# KiCad board skoosk.kicad_pcb
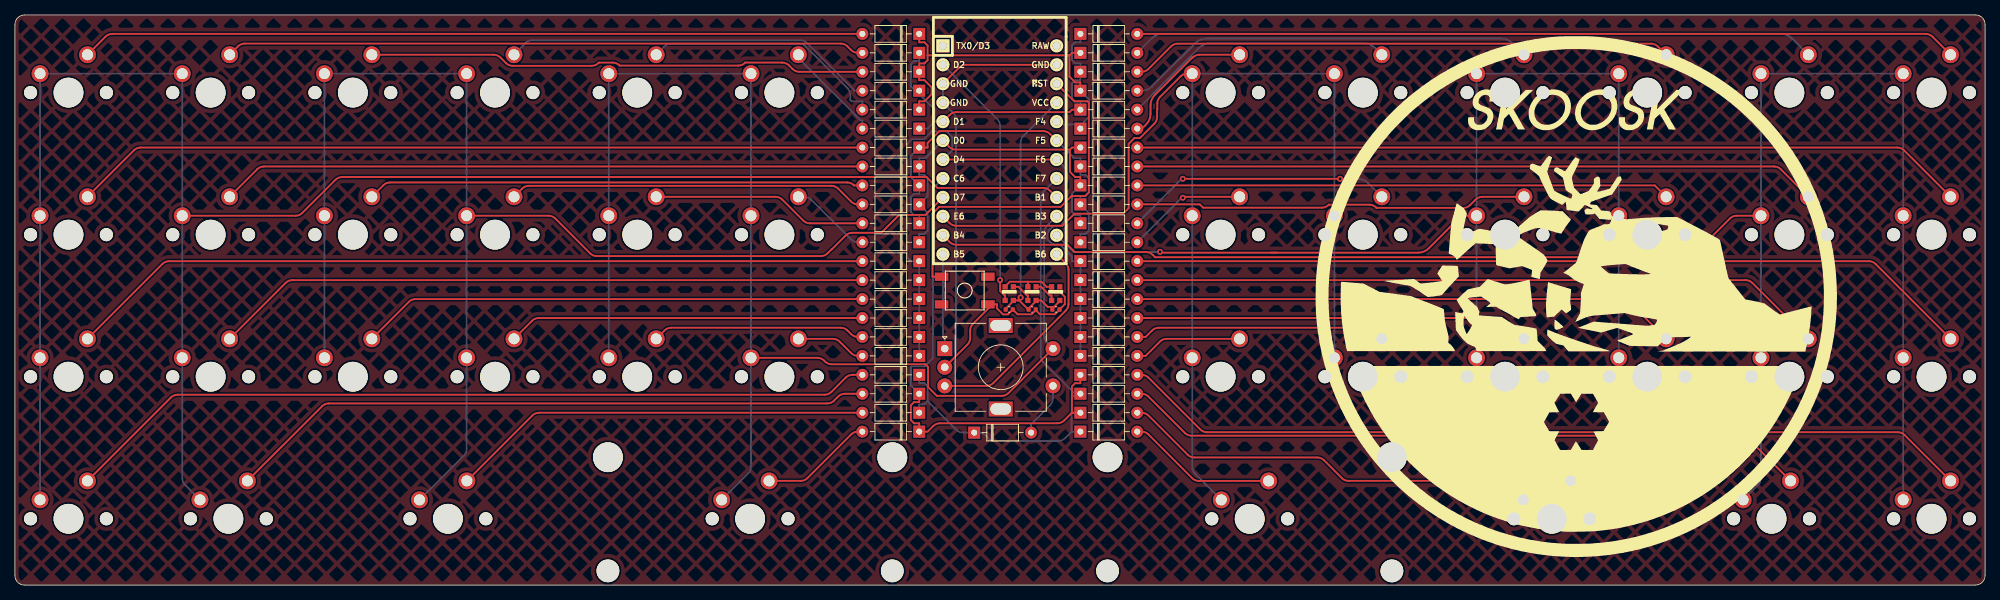
[diagram p0: board, top side]
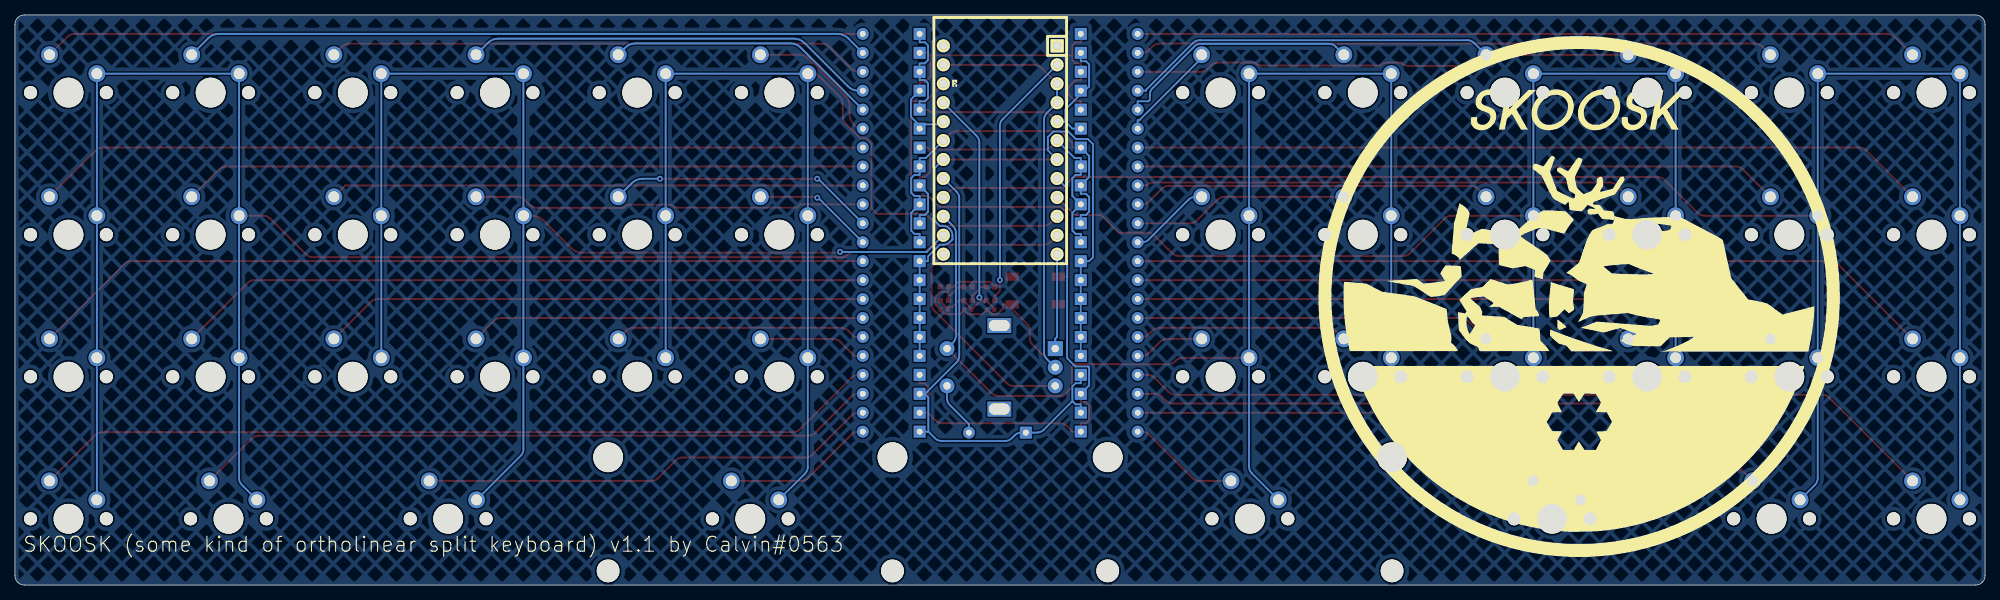
[diagram p1: board, bottom side, seen from below]

Outline 263.96 x 76.46 mm; copper layers: Top, Bottom. Coordinates in mm from the lower left corner of the outline.
Outline path: 0,75.19 0,1.27 arc(0.37,0.37) 1.27,0 262.69,0 arc(263.59,0.37) 263.96,1.27 263.96,75.19 arc(263.59,76.09) 262.69,76.46 1.27,76.46 arc(0.37,76.08) 0,75.19
Stack: Top 0.035mm / dielectric 1.51mm FR4 er 4.5 / Bottom 0.035mm

## Placement (name value [footprint] x y rotation side)
Crgb1  1uF  [C_0402_1005Metric]  133.22 36.96 0 top
Crgb2  1uF  [C_0402_1005Metric]  136.3 36.96 0 top
Crgb3  1uF  [C_0402_1005Metric]  139.47 36.96 0 top
D1  D_Small  [D_DO-35_SOD27_P7.62mm_Horizontal]  121.16 73.92 180 top
D2  D_Small  [D_DO-35_SOD27_P7.62mm_Horizontal]  121.16 71.38 180 top
D3  D_Small  [D_DO-35_SOD27_P7.62mm_Horizontal]  121.16 68.84 180 top
D4  D_Small  [D_DO-35_SOD27_P7.62mm_Horizontal]  121.16 66.3 180 top
D5  D_Small  [D_DO-35_SOD27_P7.62mm_Horizontal]  121.16 63.76 180 top
D6  D_Small  [D_DO-35_SOD27_P7.62mm_Horizontal]  121.16 61.22 180 top
D7  D_Small  [D_DO-35_SOD27_P7.62mm_Horizontal]  142.75 61.22 0 top
D8  D_Small  [D_DO-35_SOD27_P7.62mm_Horizontal]  142.75 63.76 0 top
D9  D_Small  [D_DO-35_SOD27_P7.62mm_Horizontal]  142.75 66.3 0 top
D10  D_Small  [D_DO-35_SOD27_P7.62mm_Horizontal]  142.75 68.84 0 top
D11  D_Small  [D_DO-35_SOD27_P7.62mm_Horizontal]  142.75 71.38 0 top
D12  D_Small  [D_DO-35_SOD27_P7.62mm_Horizontal]  142.75 73.92 0 top
D13  D_Small  [D_DO-35_SOD27_P7.62mm_Horizontal]  121.16 58.68 180 top
D14  D_Small  [D_DO-35_SOD27_P7.62mm_Horizontal]  121.16 56.14 180 top
D15  D_Small  [D_DO-35_SOD27_P7.62mm_Horizontal]  121.16 53.6 180 top
D16  D_Small  [D_DO-35_SOD27_P7.62mm_Horizontal]  121.16 51.06 180 top
D17  D_Small  [D_DO-35_SOD27_P7.62mm_Horizontal]  121.16 48.52 180 top
D18  D_Small  [D_DO-35_SOD27_P7.62mm_Horizontal]  121.16 45.98 180 top
D19  D_Small  [D_DO-35_SOD27_P7.62mm_Horizontal]  142.75 45.98 0 top
D20  D_Small  [D_DO-35_SOD27_P7.62mm_Horizontal]  142.75 48.52 0 top
D21  D_Small  [D_DO-35_SOD27_P7.62mm_Horizontal]  142.75 51.06 0 top
D22  D_Small  [D_DO-35_SOD27_P7.62mm_Horizontal]  142.75 53.6 0 top
D23  D_Small  [D_DO-35_SOD27_P7.62mm_Horizontal]  142.75 56.14 0 top
D24  D_Small  [D_DO-35_SOD27_P7.62mm_Horizontal]  142.75 58.68 0 top
D25  D_Small  [D_DO-35_SOD27_P7.62mm_Horizontal]  121.16 43.44 180 top
D26  D_Small  [D_DO-35_SOD27_P7.62mm_Horizontal]  121.16 40.9 180 top
D27  D_Small  [D_DO-35_SOD27_P7.62mm_Horizontal]  121.16 38.36 180 top
D28  D_Small  [D_DO-35_SOD27_P7.62mm_Horizontal]  121.16 35.82 180 top
D29  D_Small  [D_DO-35_SOD27_P7.62mm_Horizontal]  121.16 33.28 180 top
D30  D_Small  [D_DO-35_SOD27_P7.62mm_Horizontal]  121.16 30.74 180 top
D31  D_Small  [D_DO-35_SOD27_P7.62mm_Horizontal]  142.75 30.74 0 top
D32  D_Small  [D_DO-35_SOD27_P7.62mm_Horizontal]  142.75 33.28 0 top
D33  D_Small  [D_DO-35_SOD27_P7.62mm_Horizontal]  142.75 35.82 0 top
D34  D_Small  [D_DO-35_SOD27_P7.62mm_Horizontal]  142.75 38.36 0 top
D35  D_Small  [D_DO-35_SOD27_P7.62mm_Horizontal]  142.75 40.9 0 top
D36  D_Small  [D_DO-35_SOD27_P7.62mm_Horizontal]  142.75 43.44 0 top
D37  D_Small  [D_DO-35_SOD27_P7.62mm_Horizontal]  121.16 28.2 180 top
D38  D_Small  [D_DO-35_SOD27_P7.62mm_Horizontal]  121.16 25.66 180 top
D39  D_Small  [D_DO-35_SOD27_P7.62mm_Horizontal]  121.16 23.12 180 top
D40  D_Small  [D_DO-35_SOD27_P7.62mm_Horizontal]  121.16 20.58 180 top
D41  D_Small  [D_DO-35_SOD27_P7.62mm_Horizontal]  142.75 20.58 0 top
D42  D_Small  [D_DO-35_SOD27_P7.62mm_Horizontal]  142.75 23.12 0 top
D43  D_Small  [D_DO-35_SOD27_P7.62mm_Horizontal]  142.75 25.66 0 top
D44  D_Small  [D_DO-35_SOD27_P7.62mm_Horizontal]  142.75 28.2 0 top
D51  D_Small  [D_DO-35_SOD27_P7.62mm_Horizontal]  128.52 20.45 0 top
Drgb1  -  [WS2812-2020]  133.22 39.09 90 top
Drgb2  -  [WS2812-2020]  136.27 39.09 90 top
Drgb3  -  [WS2812-2020]  139.45 39.09 90 top
Gback  -  [LOGO]  54.31 38.62 180 bottom
Gfront  -  [LOGO]  209.27 38.62 0 top
MX1  MX-NoLED  [MXOnly-1U-NoLED]  7.18 66.04 0 top
MX2  MX-NoLED  [MXOnly-1U-NoLED]  26.23 66.04 0 top
MX3  MX-NoLED  [MXOnly-1U-NoLED]  45.28 66.04 0 top
MX4  MX-NoLED  [MXOnly-1U-NoLED]  64.33 66.04 0 top
MX5  MX-NoLED  [MXOnly-1U-NoLED]  83.38 66.04 0 top
MX6  MX-NoLED  [MXOnly-1U-NoLED]  102.43 66.04 0 top
MX7  MX-NoLED  [MXOnly-1U-NoLED]  161.54 66.04 0 top
MX8  MX-NoLED  [MXOnly-1U-NoLED]  180.59 66.04 0 top
MX9  MX-NoLED  [MXOnly-1U-NoLED]  199.64 66.04 0 top
MX10  MX-NoLED  [MXOnly-1U-NoLED]  218.69 66.04 0 top
MX11  MX-NoLED  [MXOnly-1U-NoLED]  237.74 66.04 0 top
MX12  MX-NoLED  [MXOnly-1U-NoLED]  256.79 66.04 0 top
MX13  MX-NoLED  [MXOnly-1U-NoLED]  7.18 46.99 0 top
MX14  MX-NoLED  [MXOnly-1U-NoLED]  26.23 46.99 0 top
MX15  MX-NoLED  [MXOnly-1U-NoLED]  45.28 46.99 0 top
MX16  MX-NoLED  [MXOnly-1U-NoLED]  64.33 46.99 0 top
MX17  MX-NoLED  [MXOnly-1U-NoLED]  83.38 46.99 0 top
MX18  MX-NoLED  [MXOnly-1U-NoLED]  102.43 46.99 0 top
MX19  MX-NoLED  [MXOnly-1U-NoLED]  161.54 46.99 0 top
MX20  MX-NoLED  [MXOnly-1U-NoLED]  180.59 46.99 0 top
MX21  MX-NoLED  [MXOnly-1U-NoLED]  199.64 46.99 0 top
MX22  MX-NoLED  [MXOnly-1U-NoLED]  218.69 46.99 0 top
MX23  MX-NoLED  [MXOnly-1U-NoLED]  237.74 46.99 0 top
MX24  MX-NoLED  [MXOnly-1U-NoLED]  256.79 46.99 0 top
MX25  MX-NoLED  [MXOnly-1U-NoLED]  7.18 27.94 0 top
MX26  MX-NoLED  [MXOnly-1U-NoLED]  26.23 27.94 0 top
MX27  MX-NoLED  [MXOnly-1U-NoLED]  45.28 27.94 0 top
MX28  MX-NoLED  [MXOnly-1U-NoLED]  64.33 27.94 0 top
MX29  MX-NoLED  [MXOnly-1U-NoLED]  83.38 27.94 0 top
MX30  MX-NoLED  [MXOnly-1U-NoLED]  102.43 27.94 0 top
MX31  MX-NoLED  [MXOnly-1U-NoLED]  161.54 27.94 0 top
MX32  MX-NoLED  [MXOnly-1U-NoLED]  180.59 27.94 0 top
MX33  MX-NoLED  [MXOnly-1U-NoLED]  199.64 27.94 0 top
MX34  MX-NoLED  [MXOnly-1U-NoLED]  218.69 27.94 0 top
MX35  MX-NoLED  [MXOnly-1U-NoLED]  237.74 27.94 0 top
MX36  MX-NoLED  [MXOnly-1U-NoLED]  256.79 27.94 0 top
MX37  MX-NoLED  [MXOnly-1U-NoLED]  7.18 8.89 0 top
MX38  MX-NoLED  [MXOnly-1.25U-NoLED]  28.6 8.89 0 top
MX39  MX-NoLED  [MXOnly-1.25U-NoLED]  58.01 8.89 0 top
MX40  MX-NoLED  [MXOnly-3U-ReversedStabilizers-NoLED]  98.5 8.89 0 top
MX41  MX-NoLED  [MXOnly-3U-ReversedStabilizers-NoLED]  165.44 8.89 0 top
MX42  MX-NoLED  [MXOnly-1.25U-NoLED]  205.92 8.89 0 top
MX43  MX-NoLED  [MXOnly-1.25U-NoLED]  235.36 8.89 0 top
MX44  MX-NoLED  [MXOnly-1U-NoLED]  256.79 8.89 0 top
SW1  SW_Push  [SKQG-1155865]  127.25 39.5 0 top
SW2  RotaryEncoder_Switch  [RotaryEncoder_Alps_EC11E-Switch_Vertical_H20mm]  132.08 29.21 0 top
U1  ProMicro  [ArduinoProMicro]  131.95 58.34 270 top

## Library data of the parts
D1-D44 D51 = -: Field4: K

## Footprints (pads in the part's own frame, mm; a bottom-side part is the same pattern mirrored in y, then rotated)
ArduinoProMicro
  rect 1.753x1.753 hole 1.092: 1(-13.97,-7.62)
  round 1.753 hole 1.092: 2(-11.43,-7.62) 3(-8.89,-7.62) 4(-6.35,-7.62) 5(-3.81,-7.62) 6(-1.27,-7.62) 7(1.27,-7.62) 8(3.81,-7.62) 9(6.35,-7.62) 10(8.89,-7.62) 11(11.43,-7.62) 12(13.97,-7.62) 13(13.97,7.62) 14(11.43,7.62) 15(8.89,7.62) 16(6.35,7.62) 17(3.81,7.62) 18(1.27,7.62) 19(-1.27,7.62) 20(-3.81,7.62) 21(-6.35,7.62) 22(-8.89,7.62) 23(-11.43,7.62) 24(-13.97,7.62)
C_0402_1005Metric
  rrect 0.56x0.62 smd: 1(-0.48,0) 2(0.48,0)
D_DO-35_SOD27_P7.62mm_Horizontal
  rect 1.6x1.6 hole 0.8: 1(0,0)
  oval 1.6x1.6 hole 0.8: 2(7.62,0)
MXOnly-1.25U-NoLED
  round 1.75 hole 1.75 unplated: (-5.08,0) (5.08,0)
  round 3.988 hole 3.988 unplated: (0,0)
  round 2.25 hole 1.47: 1(-3.81,2.54) 2(2.54,5.08)
MXOnly-1U-NoLED
  round 1.75 hole 1.75 unplated: (-5.08,0) (5.08,0)
  round 3.988 hole 3.988 unplated: (0,0)
  round 2.25 hole 1.47: 1(-3.81,2.54) 2(2.54,5.08)
MXOnly-3U-ReversedStabilizers-NoLED
  round 3.988 hole 3.988 unplated: (-19.05,8.255) (0,0) (19.05,8.255)
  round 3.048 hole 3.048 unplated: (-19.05,-6.985) (19.05,-6.985)
  round 1.75 hole 1.75 unplated: (-5.08,0) (5.08,0)
  round 2.25 hole 1.47: 1(-3.81,2.54) 2(2.54,5.08)
RotaryEncoder_Alps_EC11E-Switch_Vertical_H20mm
  rect 2x2 hole 1: A(-7.5,2.5)
  round 2 hole 1: B(-7.5,-2.5) C(-7.5,0) S1(7,-2.5) S2(7,2.5)
  rect 3.2x2 hole 2.8x1.5: MP(0,5.6) MP(0,-5.6)
SKQG-1155865
  rect 1.8x1.1 smd: 1(3.1,-1.85) 2(-3.1,1.85) 3(3.1,1.85) 4(-3.1,-1.85)
WS2812-2020
  rect 0.7x0.7 smd: 1(0.915,-0.55) 2(0.915,0.55) 3(-0.915,0.55) 4(-0.915,-0.55)

## Nets
GND: Crgb1.2 Crgb2.2 Crgb3.2 Drgb1.2 Drgb2.2 Drgb3.2 SW1.1 SW2.C U1.3 U1.4 U1.23
VCC: Crgb1.1 Crgb2.1 Crgb3.1 Drgb1.4 Drgb2.4 Drgb3.4 U1.21
COL0: MX1.1 MX2.1 MX13.1 MX14.1 MX25.1 MX26.1 MX37.1 MX38.1 U1.16
COL1: MX3.1 MX4.1 MX15.1 MX16.1 MX27.1 MX28.1 MX39.1 U1.9
COL2: MX5.1 MX6.1 MX17.1 MX18.1 MX29.1 MX30.1 MX40.1 SW2.S2 U1.15
COL3: MX7.1 MX8.1 MX19.1 MX20.1 MX31.1 MX32.1 MX41.1 U1.10
COL4: MX9.1 MX10.1 MX21.1 MX22.1 MX33.1 MX34.1 MX42.1 U1.14
COL5: MX11.1 MX12.1 MX23.1 MX24.1 MX35.1 MX36.1 MX43.1 MX44.1 U1.11
rgb pin: Drgb1.3 U1.2
rotary_a: SW2.A U1.12
rotary_b: SW2.B U1.13
ROW0: D1.1 D3.1 D5.1 D7.1 D9.1 D11.1 U1.20
ROW1: D2.1 D4.1 D6.1 D8.1 D10.1 D12.1 U1.5
ROW2: D13.1 D15.1 D17.1 D19.1 D21.1 D23.1 U1.19
ROW3: D14.1 D16.1 D18.1 D20.1 D22.1 D24.1 U1.6
ROW4: D25.1 D26.1 D27.1 D28.1 D29.1 D30.1 D31.1 D32.1 D33.1 D34.1 D35.1 D36.1 U1.7 U1.18
ROW6: D37.1 D39.1 D41.1 D43.1 D51.1 U1.17
ROW7: D38.1 D40.1 D42.1 D44.1 U1.8
Net-(D1-Pad2): D1.2 MX1.2
Net-(D2-Pad2): D2.2 MX2.2
Net-(D3-Pad2): D3.2 MX3.2
Net-(D4-Pad2): D4.2 MX4.2
Net-(D5-Pad2): D5.2 MX5.2
Net-(D6-Pad2): D6.2 MX6.2
Net-(D7-Pad2): D7.2 MX7.2
Net-(D8-Pad2): D8.2 MX8.2
Net-(D9-Pad2): D9.2 MX9.2
Net-(D10-Pad2): D10.2 MX10.2
Net-(D11-Pad2): D11.2 MX11.2
Net-(D12-Pad2): D12.2 MX12.2
Net-(D13-Pad2): D13.2 MX13.2
Net-(D14-Pad2): D14.2 MX14.2
Net-(D15-Pad2): D15.2 MX15.2
Net-(D16-Pad2): D16.2 MX16.2
Net-(D17-Pad2): D17.2 MX17.2
Net-(D18-Pad2): D18.2 MX18.2
Net-(D19-Pad2): D19.2 MX19.2
Net-(D20-Pad2): D20.2 MX20.2
Net-(D21-Pad2): D21.2 MX21.2
Net-(D22-Pad2): D22.2 MX22.2
Net-(D23-Pad2): D23.2 MX23.2
Net-(D24-Pad2): D24.2 MX24.2
Net-(D25-Pad2): D25.2 MX25.2
Net-(D26-Pad2): D26.2 MX26.2
Net-(D27-Pad2): D27.2 MX27.2
Net-(D28-Pad2): D28.2 MX28.2
Net-(D29-Pad2): D29.2 MX29.2
Net-(D30-Pad2): D30.2 MX30.2
Net-(D31-Pad2): D31.2 MX31.2
Net-(D32-Pad2): D32.2 MX32.2
Net-(D33-Pad2): D33.2 MX33.2
Net-(D34-Pad2): D34.2 MX34.2
Net-(D35-Pad2): D35.2 MX35.2
Net-(D36-Pad2): D36.2 MX36.2
Net-(D37-Pad2): D37.2 MX37.2
Net-(D38-Pad2): D38.2 MX38.2
Net-(D39-Pad2): D39.2 MX39.2
Net-(D40-Pad2): D40.2 MX40.2
Net-(D41-Pad2): D41.2 MX41.2
Net-(D42-Pad2): D42.2 MX42.2
Net-(D43-Pad2): D43.2 MX43.2
Net-(D44-Pad2): D44.2 MX44.2
Net-(D51-Pad2): D51.2 SW2.S1
Net-(Drgb1-Pad1): Drgb1.1 Drgb2.3
Net-(Drgb2-Pad1): Drgb2.1 Drgb3.3
Net-(SW1-Pad2): SW1.2 U1.22

Pads without a net: Drgb3 1; SW1 3 4; SW2 MP; U1 1 24

## Via types
v1: diameter 0.8, hole 0.4, Top to Bottom, 6 vias

## Routing (per net, layer and track width the routed paths; a pad name or vN(x,y) marks a point on that pad's centre or on a via; arc(x,y) is an arc through that point)
GND: length 90.5
  Top w0.25: U1.3 126.5,69.4 arc(126.91,69.67) 127.4,69.77 U1.23 ; 136.78,36.87 137.32,36.32 139.35,36.32 139.95,36.93 Crgb3.2 140.67,37.68 140.67,38.66 140,39.33 138.9,39.33 Drgb3.2 138.22,40 137.55,40.68 135.72,40.68 ; 136.78,36.87 Crgb2.2 ; 136.78,36.87 136.23,36.32 134.33,36.32 133.7,36.95 ; 133.7,36.95 Crgb1.2 ; 133.7,36.95 133.05,36.3 132.38,36.3 131.58,37.1 131.58,37.65 130.97,37.65 ; SW2.C 127.62,32.25 arc(127.89,32.66) 127.99,33.15 127.99,34.14 arc(128.08,34.63) 128.36,35.04 130.97,37.65 ; 135.72,40.68 Drgb2.2 ; 135.72,40.68 133.29,40.68 132.67,40.06 Drgb1.2 ; 130.97,37.65 SW1.1
  Bottom w0.25: 124.65,29.25 125.72,30.32 ; U1.3 U1.4 125.65,63.38 ; 126.09,31.18 126.09,62.48 ; 126.09,31.21 arc(125.99,30.72) 125.71,30.31 ; 126.09,62.4 arc(125.99,62.88) 125.72,63.3
VCC: length 38.6
  Top w0.25: Crgb2.1 135.82,37.09 ; 135.82,37.09 136.82,38.1 136.82,38.17 137.5,38.17 138.37,37.3 138.99,37.3 ; 135.82,37.09 135.63,37.09 134.5,38.22 ; 138.99,37.3 Crgb3.1 ; 138.99,37.3 139.2,37.3 140,38.09 Drgb3.4 ; 134.5,38.22 134.45,38.17 133.77,38.17 133.77,38.1 132.74,37.07 Crgb1.1 ; 134.5,38.22 134.5,38.32 v1(134.75,38.56)
  Bottom w0.25: U1.21 135.12,60.24 arc(134.84,59.82) 134.75,59.34 v1(134.75,38.56)
COL0: length 254.6
  Top w0.25: MX14.1 37.6,49.53 arc(38.09,49.63) 38.5,49.9 42.95,54.35 arc(43.36,54.62) 43.85,54.72 122.14,54.72 123.6,53.26 137.78,53.26 arc(138.26,53.16) 138.67,52.89 U1.16
  Bottom w0.25: MX37.1 MX25.1 MX13.1 MX1.1 MX2.1 MX14.1 MX26.1 22.42,14.33 arc(22.51,13.85) 22.79,13.44 MX38.1
COL1: length 186
  Top w0.25: MX16.1 71.49,49.53 arc(71.98,49.44) 72.39,49.16 77.06,44.49 arc(77.47,44.22) 77.95,44.12 107.98,44.12 arc(108.47,44.22) 108.88,44.49 109.42,45.03 109.46,45.03 111.3,46.87 arc(111.71,47.15) 112.2,47.25 116.08,47.25 118.47,49.64 121.98,49.64 U1.9
  Bottom w0.25: MX27.1 MX15.1 MX3.1 MX4.1 MX16.1 MX28.1 60.52,18.27 arc(60.42,17.78) 60.14,17.37 MX39.1
COL2: length 181.3
  Top w0.25: SW2.S2 133.12,25.75 arc(132.71,25.48) 132.22,25.38 123.52,25.38 122.34,26.56 122.34,29.26 121.99,29.61 109.43,29.61 arc(108.95,29.71) 108.54,29.98 108.41,30.11 arc(108,30.39) 107.51,30.48 MX30.1
  Bottom w0.25: SW2.S2 138.27,32.52 arc(137.99,32.94) 137.9,33.42 137.9,47.25 arc(137.99,47.74) 138.27,48.15 U1.15 ; MX29.1 MX17.1 MX5.1 MX6.1 MX18.1 MX30.1 98.62,15.88 arc(98.52,15.4) 98.24,14.98 MX40.1
COL3: length 164.7
  Top w0.25: MX7.1 157.07,68.58 arc(156.58,68.49) 156.17,68.21 153.43,65.47 arc(153.16,65.06) 153.06,64.58 153.06,63.81 153.03,63.78 153.03,62.77 arc(152.93,62.29) 152.66,61.87 150.73,59.95 149.99,59.95 149.21,59.17 149.21,50.55 148.47,49.8 141.95,49.8 140.33,48.18 126.13,48.18 arc(125.64,48.28) 125.23,48.55 U1.10
  Bottom w0.25: MX41.1 158.11,14.95 arc(157.83,15.36) 157.73,15.85 MX31.1 MX19.1 MX7.1 MX8.1 MX20.1 MX32.1
COL4: length 176.7
  Top w0.25: 169.04,44.58 153.53,44.58 v1(153.42,44.69) ; 169.04,44.58 168.28,44.58 ; 169.04,44.58 188.02,44.58 arc(188.79,44.73) 189.43,45.17 193.22,48.95 arc(193.87,49.38) 194.63,49.53 MX21.1
  Bottom w0.25: MX42.1 196.21,17.33 arc(195.93,17.75) 195.83,18.23 MX33.1 MX21.1 MX9.1 MX10.1 MX22.1 MX34.1 ; U1.14 141.81,44.67 153.39,44.67 v1(153.42,44.69)
COL5: length 247.2
  Top w0.25: MX23.1 230.68,49.53 arc(230.19,49.44) 229.78,49.16 224.96,44.34 arc(224.55,44.07) 224.06,43.97 152.76,43.97 152.44,44.29 arc(152.03,44.56) 151.54,44.66 141.99,44.66 141.01,45.64 126.13,45.64 arc(125.64,45.74) 125.23,46.01 U1.11
  Bottom w0.25: MX44.1 MX36.1 MX24.1 MX12.1 MX11.1 MX23.1 MX35.1 233.93,14.35 arc(233.84,13.86) 233.56,13.45 MX43.1
rgb pin: length 35
  Top w0.25: v1(132,40.9) 132,39.44 132.59,38.85 132.67,38.85 Drgb1.3
  Bottom w0.25: v1(132,40.9) 132,61.58 arc(131.9,62.07) 131.63,62.48 U1.2
rotary_a: length 12.8
  Bottom w0.25: U1.12 124.33,33.28 124.58,33.04 SW2.A
rotary_b: length 28.6
  Top w0.25: U1.13 140.79,43.15 arc(141.07,42.74) 141.16,42.25 141.16,37.7 arc(141.07,37.21) 140.79,36.8 131.08,27.08 arc(130.66,26.81) 130.18,26.71 SW2.B
ROW0: length 49.9
  Top w0.25: 141.29,71.04 141.29,68.18 142.04,67.42 142.75,67.42 D9.1 ; 141.29,71.04 141.62,71.38 D11.1 ; 141.29,71.04 122.28,71.04 ; D1.1 121.16,72.79 121.86,72.79 122.28,72.37 122.28,71.04 ; 122.28,71.04 122.28,70.38 121.86,69.96 121.16,69.96 D3.1 121.16,67.71 121.86,67.71 122.82,66.75 122.82,65.84 121.86,64.88 121.16,64.88 D5.1
  Bottom w0.25: 142.75,61.78 139.94,61.78 U1.20 ; 142.75,61.78 142.9,61.78 143.91,62.8 143.91,65.13 D9.1 ; 142.75,61.78 D7.1
ROW1: length 48.3
  Top w0.25: D8.1 141.62,63.76 141.29,63.42 126.13,63.42 arc(125.64,63.32) 125.23,63.05 U1.5
  Bottom w0.25: 121.16,65.75 120.03,66.88 120.03,69.83 120.45,70.25 121.16,70.25 D2.1 ; 121.16,65.75 121.25,65.75 123.22,63.78 123.22,62.15 ; 121.16,65.75 D4.1 ; 123.22,62.15 122.28,61.22 D6.1 ; 123.22,62.15 U1.5 ; D8.1 142.75,64.88 142.04,64.88 141.62,65.3 141.62,67.29 142.04,67.71 142.75,67.71 D10.1 142.75,69.96 142.04,69.96 141.62,70.38 141.62,72.37 142.04,72.79 142.75,72.79 D12.1
ROW2: length 51.5
  Top w0.25: U1.19 138.67,60.51 arc(138.26,60.78) 137.78,60.88 123.87,60.88 122.28,59.29 122.28,58.68 D13.1
  Bottom w0.25: D17.1 121.16,49.64 120.45,49.64 120.03,50.06 120.03,52.05 120.45,52.47 121.16,52.47 D15.1 120.03,54.72 120.03,57.55 D13.1 ; D19.1 142.75,47.1 143.45,47.1 143.87,47.52 143.87,49.93 D21.1 142.75,52.18 143.45,52.18 143.87,52.6 143.87,54.59 143.45,55.01 142.75,55.01 D23.1 142.75,57.26 141.92,57.26 U1.19
ROW3: length 49.3
  Top w0.25: 141.34,58.4 126.07,58.4 arc(125.59,58.49) 125.17,58.77 U1.6 ; 141.34,58.4 141.62,58.68 D24.1 ; 141.34,58.4 141.34,55.42 142.04,54.72 142.75,54.72 D22.1
  Bottom w0.25: U1.6 121.98,57.26 121.16,57.26 D14.1 121.16,55.01 121.86,55.01 122.28,54.59 122.28,52.18 D16.1 122.28,49.93 122.28,47.52 121.86,47.1 121.16,47.1 D18.1 ; D20.1 142.75,49.64 142.04,49.64 141.62,50.06 141.62,52.47 D22.1
ROW4: length 86.8
  Top w0.25: U1.18 U1.7
  Bottom w0.25: D30.1 D29.1 D28.1 D27.1 D26.1 D25.1 120.03,43.44 119.52,43.94 119.52,59.14 120.19,59.8 121.81,59.8 122.84,60.83 124.83,60.83 125.57,60.09 125.57,58.3 U1.7 ; U1.18 140.77,55.87 140.77,49.42 arc(140.68,48.93) 140.4,48.52 140.06,48.18 139.67,48.18 arc(139.18,48.08) 138.77,47.81 138.72,47.76 arc(138.44,47.35) 138.35,46.86 138.35,46.36 138.7,46.01 arc(139.11,45.74) 139.59,45.64 140.05,45.64 141.62,44.07 141.62,43.44 D36.1 D35.1 D34.1 D33.1 D32.1 D31.1
ROW6: length 67.4
  Bottom w0.25: 141.58,20.58 141.58,25.15 142.05,25.62 ; 141.58,20.58 140.7,19.7 arc(140.29,19.42) 139.8,19.32 131.3,19.32 arc(130.81,19.42) 130.4,19.7 130.02,20.08 arc(129.61,20.35) 129.12,20.45 D51.1 127.02,20.45 arc(126.54,20.55) 126.13,20.82 122.28,24.66 ; 141.58,20.58 D41.1 ; U1.17 137.81,52.77 arc(137.54,52.36) 137.44,51.87 137.44,30.76 arc(137.54,30.27) 137.81,29.86 142.05,25.62 ; 122.28,24.66 122.28,26.65 121.86,27.07 121.16,27.07 D37.1 ; 122.28,24.66 121.86,24.24 121.16,24.24 D39.1 ; D43.1 142.71,25.62 142.05,25.62
ROW7: length 67.5
  Top w0.25: D38.1 121.16,24.53 120.45,24.53 120.03,24.11 120.03,22.12 120.45,21.7 121.16,21.7 D40.1 122.28,20.58 123.04,21.33 arc(123.45,21.6) 123.93,21.7 139.68,21.7 arc(140.17,21.8) 140.58,22.07 141.62,23.12 ; D44.1 142.75,27.07 142.04,27.07 141.62,26.65 141.62,23.12 ; D42.1 141.62,23.12
  Bottom w0.25: D38.1 120.03,26.78 120.03,29.2 120.16,29.32 121.89,29.32 122.99,30.43 122.99,53.19 U1.8
Net-(D1-Pad2): length 104.9
  Top w0.25: D1.2 13.04,73.92 arc(12.55,73.82) 12.14,73.54 MX1.2
Net-(D2-Pad2): length 85.7
  Top w0.25: MX2.2 29.89,72.24 arc(30.3,72.52) 30.78,72.61 110.65,72.61 arc(111.13,72.52) 111.55,72.24 112.04,71.75 arc(112.45,71.47) 112.94,71.38 D2.2
Net-(D3-Pad2): length 67
  Top w0.25: D3.2 105.09,68.84 arc(104.6,68.93) 104.19,69.21 103.7,69.7 arc(103.29,69.98) 102.8,70.07 97.84,70.07 97.81,70.04 arc(97.4,69.76) 96.91,69.67 81.02,69.67 80.99,69.7 arc(80.58,69.97) 80.09,70.07 78.24,70.07 78.18,70 arc(77.77,69.73) 77.28,69.63 66.68,69.63 arc(66.2,69.73) 65.78,70 65.04,70.75 arc(64.63,71.03) 64.14,71.12 MX3.2
Net-(D4-Pad2): length 50.2
  Bottom w0.25: D4.2 112.41,66.3 112.41,66.41 106.13,72.7 arc(105.72,72.97) 105.23,73.07 69.34,73.07 arc(68.85,72.97) 68.44,72.7 MX4.2
Net-(D5-Pad2): length 33.1
  Bottom w0.25: MX5.2 87.01,72.22 arc(87.42,72.49) 87.91,72.59 105.06,72.59 arc(105.55,72.49) 105.96,72.22 111.54,66.64 arc(111.82,66.23) 111.91,65.74 111.91,65.05 112.08,64.88 113.54,64.88 D5.2
Net-(D6-Pad2): length 13.6
  Bottom w0.25: MX6.2 104.97,70.68 113.3,62.34 113.54,62.34 D6.2
Net-(D7-Pad2): length 19.2
  Top w0.25: MX7.2 158.71,71.12 arc(158.23,71.03) 157.81,70.75 157.74,70.75 152.73,65.74 arc(152.3,65.09) 152.15,64.33 152.15,63.19 arc(151.99,62.42) 151.56,61.77 151,61.22 D7.2
Net-(D8-Pad2): length 36.9
  Bottom w0.254: D8.2 158.67,72.06 arc(159.32,72.49) 160.09,72.65 180.78,72.65 arc(181.55,72.49) 182.2,72.06 MX8.2
Net-(D9-Pad2): length 55.3
  Bottom w0.254: MX9.2 200.61,72.7 arc(199.96,73.13) 199.2,73.28 159.58,73.28 arc(158.81,73.13) 158.16,72.7 152.35,66.88 arc(151.7,66.45) 150.94,66.3 D9.2
Net-(D10-Pad2): length 72.9
  Top w0.25: MX10.2 220.12,72.23 arc(219.71,72.51) 219.23,72.6 155.79,72.6 arc(155.3,72.51) 154.89,72.23 151.87,69.21 arc(151.45,68.93) 150.97,68.84 D10.2
Net-(D11-Pad2): length 92
  Bottom w0.254: D11.2 152.32,73.33 arc(152.97,73.76) 153.74,73.92 236.66,73.92 arc(237.43,73.76) 238.08,73.33 MX11.2
Net-(D12-Pad2): length 110.1
  Top w0.25: MX12.2 256.91,73.54 arc(256.5,73.82) 256.01,73.92 D12.2
Net-(D13-Pad2): length 106.5
  Top w0.25: D13.2 16.85,58.68 arc(16.36,58.58) 15.95,58.3 MX13.2
Net-(D14-Pad2): length 86.4
  Top w0.25: MX14.2 32.46,55.76 arc(32.87,56.04) 33.36,56.14 D14.2
Net-(D15-Pad2): length 66.6
  Top w0.25: MX15.2 49.36,53.62 arc(49.77,53.89) 50.26,53.99 111.49,53.99 arc(111.98,53.89) 112.39,53.62 112.41,53.6 D15.2
Net-(D16-Pad2): length 48.1
  Top w0.25: MX16.2 67.96,53.17 arc(68.37,53.44) 68.86,53.54 109.41,53.54 arc(109.89,53.44) 110.3,53.17 112.04,51.43 arc(112.45,51.15) 112.94,51.06 D16.2
Net-(D17-Pad2): length 29
  Top w0.25: MX17.2 101.9,52.07 arc(102.39,51.98) 102.8,51.7 105.61,48.89 arc(106.03,48.61) 106.51,48.52 D17.2
Net-(D18-Pad2): length 11
  Bottom w0.25: MX18.2 105.79,52.07 arc(106.28,51.98) 106.69,51.7 112.04,46.35 arc(112.45,46.07) 112.94,45.98 D18.2
Net-(D19-Pad2): length 16.2
  Top w0.25: v1(156.46,51.95) 156.59,52.07 MX19.2
  Bottom w0.25: D19.2 156.34,51.95 v1(156.46,51.95)
Net-(D20-Pad2): length 36.2
  Top w0.254: v1(156.46,54.49) v1(177.55,54.49)
  Bottom w0.254: MX20.2 181.31,53.9 arc(180.66,54.33) 179.89,54.49 v1(177.55,54.49) ; D20.2 156.34,54.49 v1(156.46,54.49)
Net-(D21-Pad2): length 52.7
  Top w0.25: D21.2 158.75,51.06 159.19,50.62 175.12,50.62 arc(175.61,50.71) 176.02,50.99 176.04,51.01 181.47,51.01 arc(181.95,50.92) 182.36,50.64 182.42,50.58 194.06,50.58 arc(194.55,50.68) 194.96,50.95 195.71,51.7 arc(196.12,51.98) 196.6,52.07 MX21.2
Net-(D22-Pad2): length 71.5
  Top w0.25: D22.2 219.71,53.6 MX22.2
Net-(D23-Pad2): length 91.5
  Top w0.25: MX23.2 236.59,55.76 arc(236.18,56.04) 235.69,56.14 D23.2
Net-(D24-Pad2): length 111.6
  Top w0.25: MX24.2 253.1,58.3 arc(252.69,58.58) 252.2,58.68 D24.2
Net-(D25-Pad2): length 108.1
  Top w0.25: MX25.2 19.76,43.06 arc(20.17,43.34) 20.66,43.44 D25.2
Net-(D26-Pad2): length 88
  Top w0.25: MX26.2 36.27,40.52 arc(36.68,40.8) 37.17,40.9 D26.2
Net-(D27-Pad2): length 67.9
  Top w0.25: D27.2 53.68,38.36 arc(53.19,38.26) 52.78,37.98 MX27.2
Net-(D28-Pad2): length 47.8
  Top w0.25: D28.2 70.19,35.82 arc(69.7,35.72) 69.29,35.44 MX28.2
Net-(D29-Pad2): length 28.6
  Top w0.25: MX29.2 87.04,34.14 arc(87.45,34.42) 87.93,34.51 110.65,34.51 arc(111.13,34.42) 111.55,34.14 112.04,33.65 arc(112.45,33.37) 112.94,33.28 D29.2
Net-(D30-Pad2): length 9.4
  Top w0.25: MX30.2 109.6,33.02 arc(110.09,32.93) 110.5,32.65 112.04,31.11 arc(112.45,30.83) 112.94,30.74 D30.2
Net-(D31-Pad2): length 14.6
  Top w0.25: MX31.2 154.31,33.02 arc(153.82,32.93) 153.41,32.65 151.49,30.74 D31.2
Net-(D32-Pad2): length 33.8
  Top w0.25: D32.2 151.49,33.28 152.36,34.14 arc(152.77,34.42) 153.26,34.51 181.12,34.51 arc(181.6,34.42) 182.01,34.14 MX32.2
Net-(D33-Pad2): length 52.9
  Top w0.25: D33.2 198.86,35.82 arc(199.35,35.72) 199.76,35.44 MX33.2
Net-(D34-Pad2): length 73
  Top w0.25: D34.2 215.37,38.36 arc(215.86,38.26) 216.27,37.98 MX34.2
Net-(D35-Pad2): length 93.1
  Top w0.25: D35.2 231.88,40.9 arc(232.37,40.8) 232.78,40.52 MX35.2
Net-(D36-Pad2): length 113.2
  Top w0.25: D36.2 248.39,43.44 arc(248.88,43.34) 249.29,43.06 MX36.2
Net-(D37-Pad2): length 109.6
  Top w0.254: MX37.2 20.9,25.16 arc(21.31,25.43) 21.8,25.53 108.49,25.53 arc(108.98,25.63) 109.39,25.9 111.31,27.82 arc(111.72,28.1) 112.21,28.2 D37.2
Net-(D38-Pad2): length 87.1
  Top w0.254: D38.2 111.19,25.66 arc(110.71,25.56) 110.3,25.28 109.74,24.73 arc(109.33,24.46) 108.85,24.36 42.06,24.36 arc(41.57,24.26) 41.16,23.99 MX38.2
Net-(D39-Pad2): length 56.7
  Top w0.25: D39.2 70.22,23.12 arc(69.74,23.02) 69.33,22.74 MX39.2
Net-(D40-Pad2): length 15.1
  Top w0.25: D40.2 112.94,20.58 arc(112.45,20.48) 112.04,20.2 106.18,14.34 arc(105.77,14.07) 105.28,13.97 MX40.2
Net-(D41-Pad2): length 20.2
  Top w0.25: MX41.2 158.63,13.97 arc(158.14,14.06) 157.73,14.34 151.87,20.2 arc(151.45,20.48) 150.97,20.58 D41.2
Net-(D42-Pad2): length 61.7
  Top w0.25: MX42.2 178.68,13.97 arc(178.2,14.07) 177.78,14.34 175.39,16.74 arc(174.98,17.01) 174.49,17.11 158.02,17.11 arc(157.54,17.21) 157.13,17.48 151.87,22.74 arc(151.45,23.02) 150.97,23.12 D42.2
Net-(D43-Pad2): length 92.2
  Top w0.25: D43.2 150.97,25.66 arc(151.45,25.56) 151.87,25.28 156.74,20.41 arc(157.16,20.13) 157.64,20.03 231.31,20.03 arc(231.79,19.94) 232.21,19.66 MX43.2
Net-(D44-Pad2): length 114.7
  Top w0.25: MX44.2 253.18,20.13 arc(252.77,20.4) 252.28,20.5 159.72,20.5 arc(159.23,20.6) 158.82,20.87 151.87,27.82 arc(151.45,28.1) 150.97,28.2 D44.2
Net-(D51-Pad2): length 7.4
  Bottom w0.25: SW2.S1 139.08,25.04 arc(138.98,24.55) 138.71,24.14 136.14,21.57 D51.2
Net-(Drgb1-Pad1): length 3.1
  Top w0.25: 133.77,40 134.45,40 135.6,38.85 135.72,38.85 Drgb2.3
Net-(Drgb2-Pad1): length 3.2
  Top w0.25: Drgb3.3 138.9,38.85 138.65,38.85 137.5,40 136.82,40
Net-(SW1-Pad2): length 49.2
  Top w0.25: SW1.2 122.93,41.35 122.93,49.83 123.82,50.72 140.11,50.72 141.57,52.18 143.4,52.18 143.89,52.67 143.89,64.71 143.71,64.88 141.92,64.88 U1.22

## Copper pours and planes (outline as drawn; the poured copper is in the pictures)
(no net) on Top, Bottom: 272.92,-2.03 -8.89,-2.03 -8.76,76.71 272.8,76.58

## Text on the board
B.Silkscreen: SKOOSK (some kind of ortholinear split keyboard) v1.1 by Calvin#0563
